# Altium PCB US_EPS_GHW.PcbDoc (part 1 of 3) (continued)
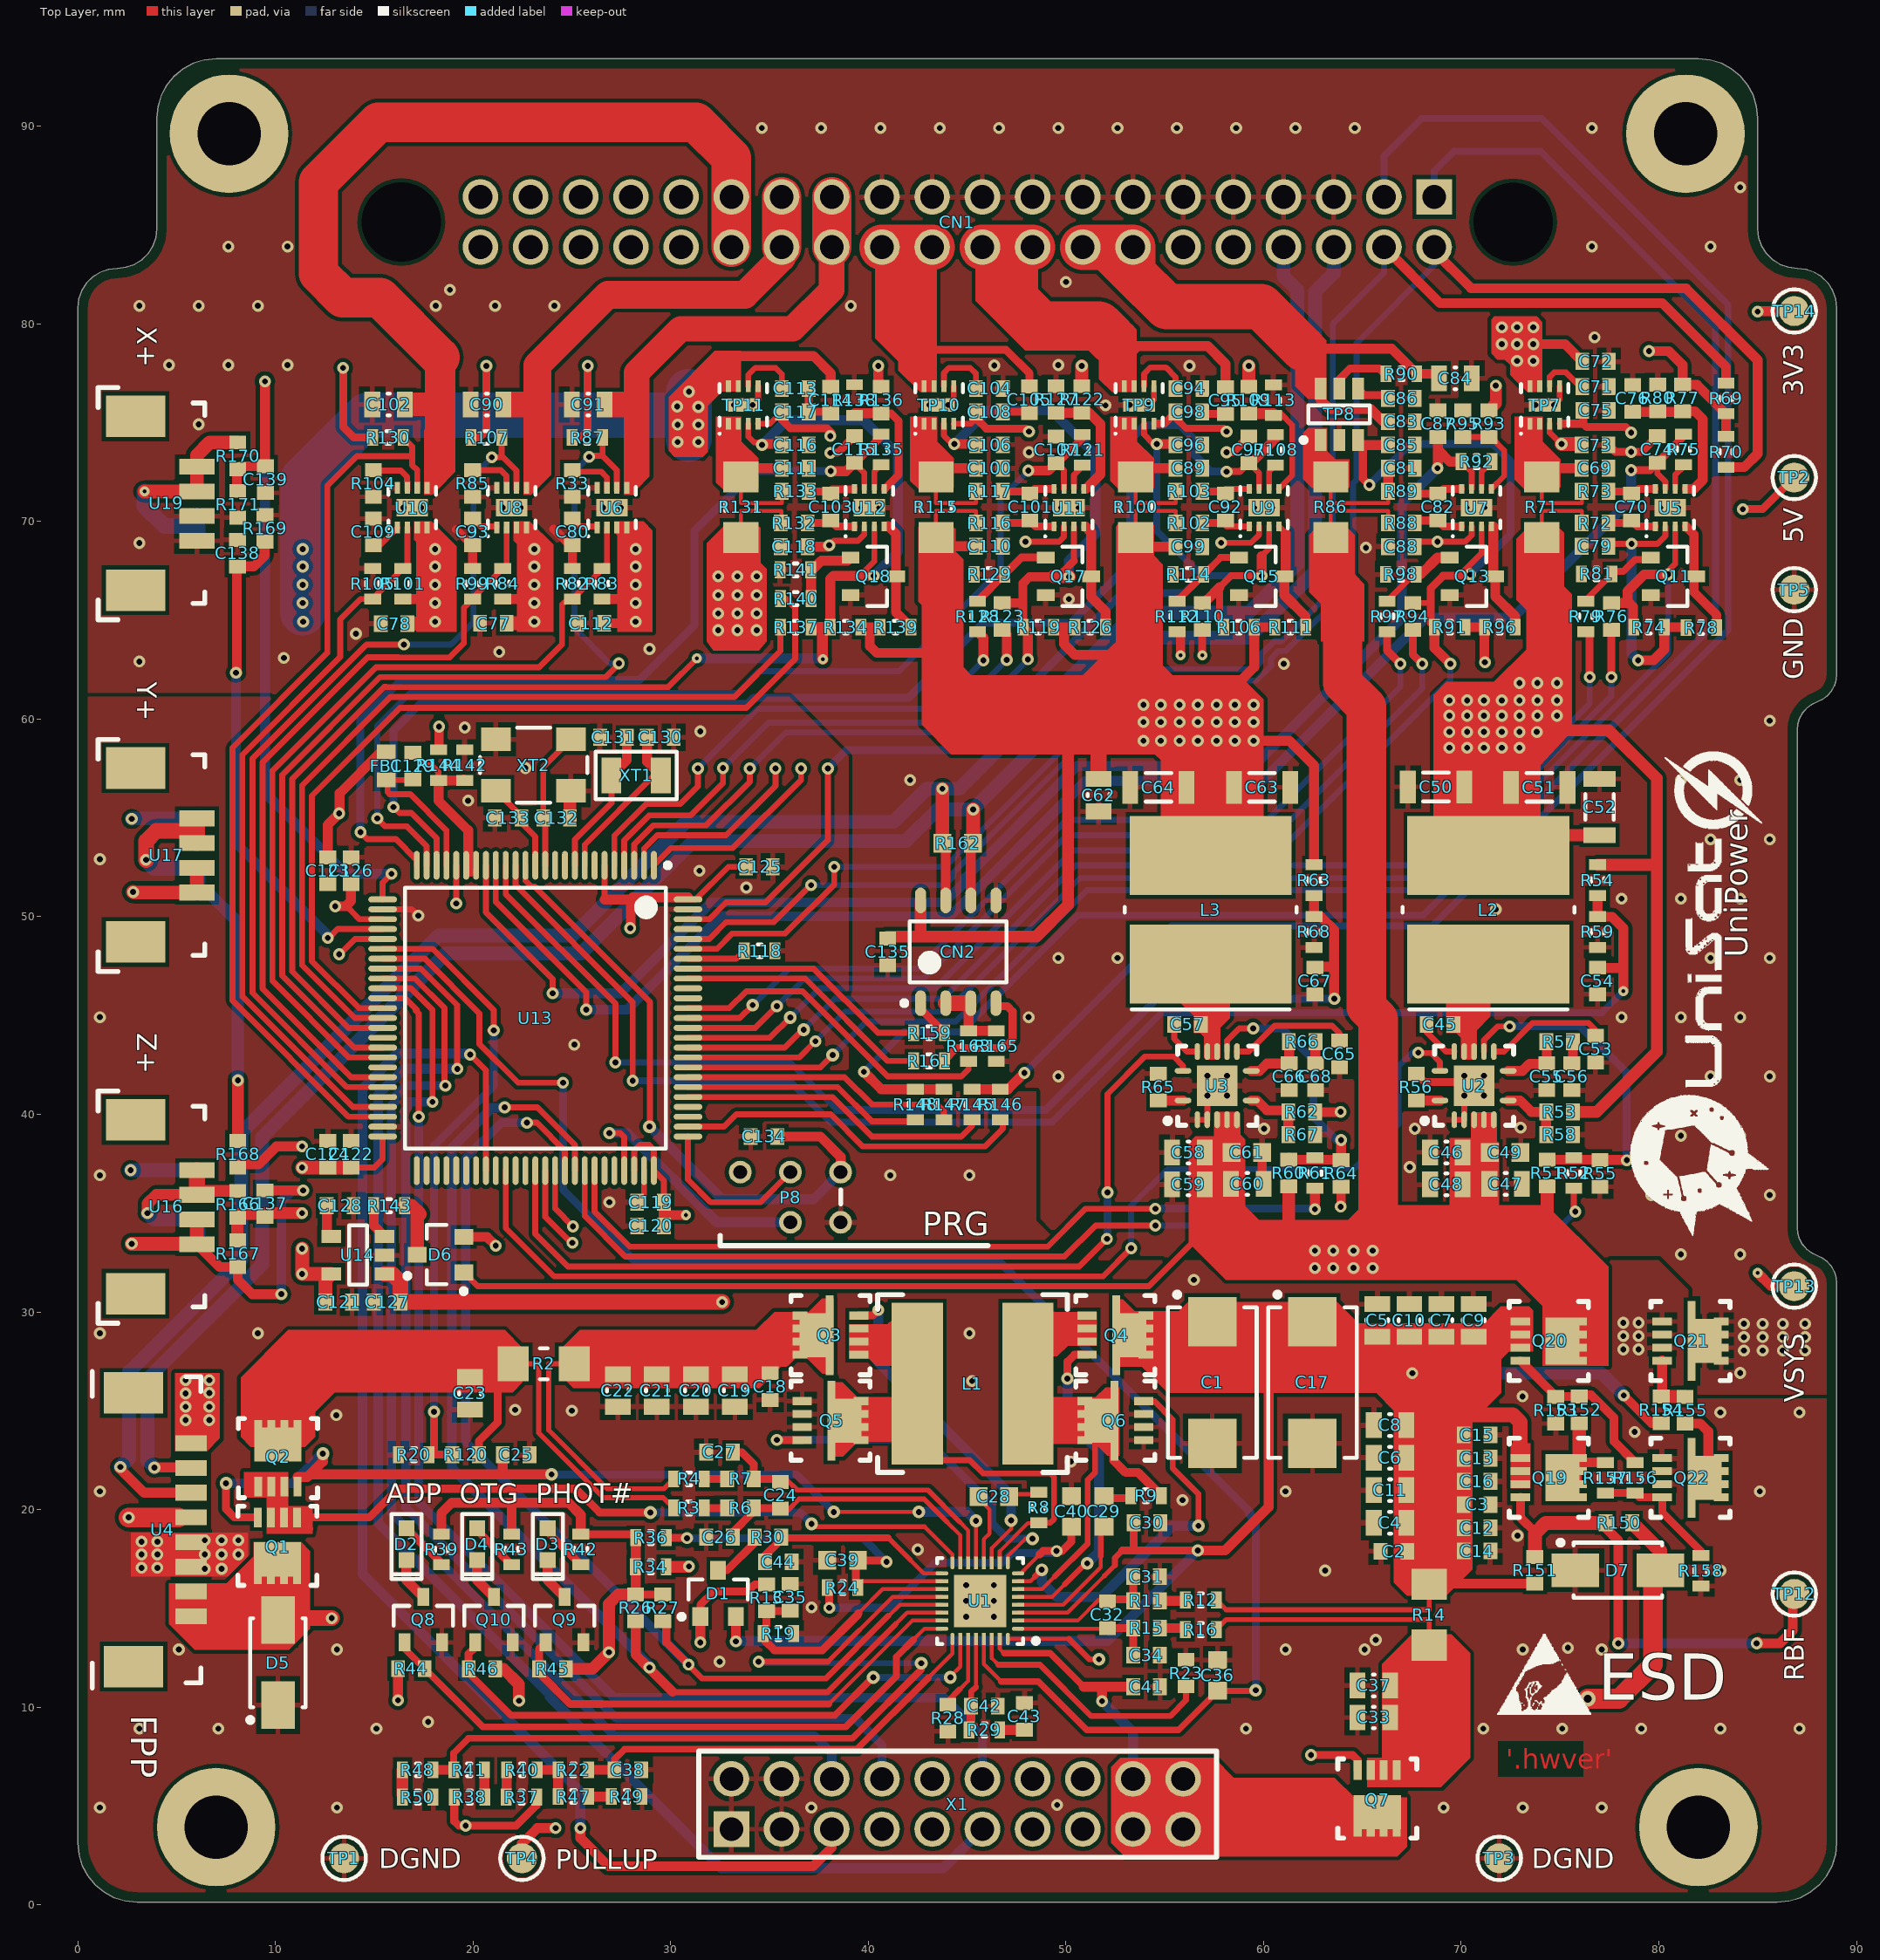
[diagram p0: Top Layer view]
## Components (designator, comment, footprint, x,y, rotation, side; value= is the part's Value field where it differs from the comment) (continued)
Q22 "SISA14DN-T1-GE3" SISA14DN 81.602,21.61 r0 top
R2 "20mR" WSLP1206R002 23.575,27.375 r0 top
R3 "0R" R0603_IPC_MD 30.925,20.075 r180 top
R4 "0R" R0603_IPC_MD 30.925,21.55 r180 top
R6 "2R" C0603_IPC_HD 33.525,20.075 r180 top
R7 "2R" C0603_IPC_HD 33.525,21.55 r180 top
R8 "0R" R0603_IPC_MD 48.625,20.1 r270 top
R9 "0R" R0603_IPC_MD 54.05,20.7 r0 top
R11 "2R" C0603_IPC_HD 54.075,15.375 r180 top
R12 "0R" R0603_IPC_MD 56.825,15.425 r180 top
R13 "402k" C0603_IPC_HD 34.85,15.536 r90 top
R14 "10mR" WSLP1206R001 68.375,14.675 r90 top
R15 "2R" C0603_IPC_HD 54.075,14 r180 top
R16 "0R" R0603_IPC_MD 56.825,13.925 r180 top
R19 "100k" R0603_IPC_MD 35.45,13.725 r180 top
R20 "158k" R0603_IPC_HD 17,22.775 r180 top
R22 "100k" R0603_IPC_MD 25.075,6.825 r0 top
R23 "6.04k" C0603_IPC_HD 56.075,11.725 r270 top
R24 "4.7R" R0603_IPC_HD 38.7,16.05 r0 top
R26 "10k" C0603_IPC_HD 28.225,15.025 r90 top
R27 "10k" C0603_IPC_HD 29.6,15.025 r270 top
R28 "143k" C0603_IPC_HD 44.025,9.45 r90 top
R29 "1k" R0603_IPC_MD 45.875,8.85 r180 top
R30 "2R" C0603_IPC_HD 34.925,18.6 r0 top
R33 "3.83k" C0603_IPC_HD 25.025,71.925 r90 top
R34 "0R" R0603_IPC_MD 28.991,17.1 r0 top
R36 "0R" R0603_IPC_MD 29,18.575 r180 top
R37 "100k" R0603_IPC_MD 22.45,5.45 r0 top
R38 "100k" R0603_IPC_MD 19.825,5.45 r180 top
R39 "330R" R0603_IPC_MD 18.4,17.975 r90 top
R40 "0R" R0603_IPC_MD 22.475,6.825 r180 top
R41 "0R" R0603_IPC_MD 19.8,6.825 r0 top
R42 "330R" R0603_IPC_MD 25.45,17.975 r90 top
R43 "330R" R0603_IPC_MD 21.95,17.975 r90 top
R44 "10k" C0603_IPC_HD 16.875,11.95 r180 top
R45 "10k" C0603_IPC_HD 24.025,11.932 r0 top
R46 "10k" C0603_IPC_HD 20.45,11.932 r0 top
R47 "0R" R0603_IPC_MD 25.075,5.475 r180 top
R48 "0R" R0603_IPC_MD 17.2,6.825 r0 top
R49 "100k" R0603_IPC_MD 27.775,5.475 r180 top
R50 "100k" R0603_IPC_MD 17.2,5.45 r180 top
R51 "102k" C0603_IPC_HD 74.35,37.025 r270 top
R52 "0R" R0603_IPC_MD 75.7,37.025 r270 top
R53 "52.3k" C0603_IPC_HD 74.975,40.125 r0 top
R54 "300k" R0603_IPC_MD 76.9,51.85 r90 top
R55 "36.5k" C0603_IPC_HD 77.025,37.011 r90 top
R56 "53.6k" C0603_IPC_HD 67.725,41.375 r270 top
R57 "3.65k" C0603_IPC_HD 74.975,43.675 r180 top
R58 "10k" C0603_IPC_HD 74.975,38.968 r180 top
R59 "150k" R0603_IPC_MD 76.9,49.225 r90 top
R60 "102k" C0603_IPC_HD 61.275,37.025 r270 top
R61 "0R" R0603_IPC_MD 62.6,37.025 r270 top
R62 "30.9k" C0603_IPC_HD 61.925,40.125 r0 top
R63 "150k" R0603_IPC_MD 62.55,51.85 r90 top
R64 "36.5k" C0603_IPC_HD 63.925,37.011 r90 top
R65 "53.6k" C0603_IPC_HD 54.675,41.375 r270 top
R66 "3.83k" C0603_IPC_HD 61.95,43.675 r180 top
R67 "10k" C0603_IPC_HD 61.925,38.968 r180 top
R68 "300k" R0603_IPC_MD 62.55,49.225 r90 top
R69 "0R" R0603_IPC_MD 83.4,76.225 r90 top
R70 "0R" R0603_IPC_MD 83.4,73.525 r270 top
R71 "10mR" WSLP1206R001 74.075,70.725 r90 top locked
R72 "2R" C0603_IPC_HD 76.775,69.925 r180 top locked
R73 "2R" C0603_IPC_HD 76.775,71.525 r180 top locked
R74 "0R" R0603_IPC_MD 79.5,64.65 r180 top
R75 "0R" R0603_IPC_MD 81.25,73.65 r270 top
R76 "10k" C0603_IPC_HD 77.6,65.2 r90 top
R77 "95.3k" C0603_IPC_HD 81.2,76.25 r90 top
R78 "100k" R0603_IPC_MD 82.15,64.628 r0 top
R79 "1 k" R0603_IPC_HD 76.3,65.2 r270 top
R80 "143k" C0603_IPC_HD 79.95,76.25 r270 top
R81 "100k" R0603_IPC_MD 76.85,67.347 r180 top
R82 "0R" R0603_IPC_MD 25.025,66.85 r270 top
R83 "0R" R0603_IPC_MD 26.525,66.85 r270 top
R84 "0R" R0603_IPC_MD 21.5,66.85 r270 top
R85 "3.83k" C0603_IPC_HD 19.975,71.925 r90 top
R86 "10mR" WSLP1206R001 63.4,70.725 r90 top locked
R87 "100k" R0603_IPC_MD 25.775,74.25 r180 top
R88 "2R" C0603_IPC_HD 66.975,69.925 r180 top locked
R89 "2R" C0603_IPC_HD 66.975,71.525 r180 top locked
R90 "330R" R0603_IPC_MD 66.975,77.475 r180 top
R91 "0R" R0603_IPC_MD 69.425,64.65 r180 top
R92 "0R" R0603_IPC_MD 70.775,73.025 r0 top
R93 "95.3k" C0603_IPC_HD 71.4,74.95 r90 top
R94 "10k" C0603_IPC_HD 67.55,65.2 r270 top
R95 "143k" C0603_IPC_HD 70.075,74.95 r270 top
R96 "100k" R0603_IPC_MD 71.95,64.65 r180 top
R97 "1 k" R0603_IPC_HD 66.25,65.2 r270 top
R98 "100k" R0603_IPC_MD 66.95,67.325 r0 top
R99 "0R" R0603_IPC_MD 19.975,66.85 r270 top
R100 "20mR" WSLP1206R002 53.525,70.725 r90 top locked
R101 "0R" R0603_IPC_MD 16.45,66.85 r270 top
R102 "2R" C0603_IPC_HD 56.225,69.925 r180 top locked
R103 "2R" C0603_IPC_HD 56.225,71.525 r180 top locked
R104 "3.83k" C0603_IPC_HD 14.95,71.925 r90 top
R105 "0R" R0603_IPC_MD 14.925,66.85 r270 top
R106 "0R" R0603_IPC_MD 58.75,64.65 r180 top
R107 "100k" R0603_IPC_MD 20.675,74.25 r180 top
R108 "0R" R0603_IPC_MD 60.6,73.625 r90 top
R109 "10k" C0603_IPC_HD 59.25,76.139 r270 top
R110 "10k" C0603_IPC_HD 56.9,65.2 r270 top
R111 "100k" R0603_IPC_MD 61.35,64.65 r180 top
R112 "1 k" R0603_IPC_HD 55.625,65.2 r270 top
R113 "10.0k" R0603_IPC_MD 60.5,76.139 r270 top
R114 "100k" R0603_IPC_MD 56.2,67.325 r0 top
R115 "20mR" WSLP1206R002 43.425,70.725 r90 top locked
R116 "2R" C0603_IPC_HD 46.125,69.925 r180 top locked
R117 "2R" C0603_IPC_HD 46.125,71.525 r180 top locked
R118 "100k" R0603_IPC_MD 34.5,48.275 r180 top
R119 "0R" R0603_IPC_MD 48.6,64.65 r180 top
R120 "499k" C0603_IPC_HD 19.625,22.775 r180 top
R121 "0R" R0603_IPC_MD 50.825,73.625 r90 top
R122 "10k" C0603_IPC_HD 50.8,76.175 r270 top
R123 "10k" C0603_IPC_HD 46.775,65.2 r270 top
R126 "100k" R0603_IPC_MD 51.225,64.65 r180 top
R127 "4.7k" C0603_IPC_HD 49.5,76.175 r270 top
R128 "1 k" R0603_IPC_HD 45.525,65.2 r270 top
R129 "100k" R0603_IPC_MD 46.125,67.325 r0 top
R130 "100k" R0603_IPC_MD 15.7,74.25 r180 top
R131 "20mR" WSLP1206R002 33.55,70.725 r90 top locked
R132 "2R" C0603_IPC_HD 36.25,69.925 r180 top locked
R133 "2R" C0603_IPC_HD 36.3,71.525 r180 top locked
R134 "0R" R0603_IPC_MD 38.85,64.65 r180 top
R135 "0R" R0603_IPC_MD 40.65,73.65 r90 top
R136 "95.3k" C0603_IPC_HD 40.65,76.15 r90 top
R137 "100k" R0603_IPC_MD 36.325,64.65 r180 top
R138 "158k" R0603_IPC_HD 39.3,76.15 r270 top
R139 "100k" R0603_IPC_MD 41.375,64.65 r180 top
R140 "1 k" R0603_IPC_HD 36.325,66.1 r180 top
R141 "100k" R0603_IPC_MD 36.316,67.55 r0 top
R142 "0R" R0603_IPC_MD 19.575,57.675 r90 top
R143 "0R" R0603_IPC_MD 15.75,35.375 r180 top
R144 "0R" R0603_IPC_MD 18.25,57.675 r90 top
R145 "0R" R0603_IPC_MD 45.25,40.5 r90 top
R146 "0R" R0603_IPC_MD 46.675,40.5 r90 top
R147 "0R" R0603_IPC_MD 43.825,40.5 r90 top
R148 "0R" R0603_IPC_MD 42.375,40.5 r90 top
R150 "10k" C0603_IPC_HD 77.975,19.325 r180 top
R151 "499k" C0603_IPC_HD 73.725,16.925 r90 top
R152 "10k" C0603_IPC_HD 75.975,25.039 r270 top
R153 "499k" C0603_IPC_HD 74.775,25.025 r90 top
R154 "10k" C0603_IPC_HD 80.125,25.039 r270 top
R155 "499k" C0603_IPC_HD 81.325,25.025 r90 top
R156 "0R" R0603_IPC_MD 78.8,21.607 r90 top
R157 "0R" R0603_IPC_MD 77.3,21.607 r90 top
R158 "0R" R0603_IPC_MD 82.125,16.9 r90 top
R159 "22R" R0603_IPC_MD 43.075,44.125 r0 top
R161 "22R" R0603_IPC_MD 43.075,42.7 r0 top
R162 "120R" C0603_IPC_MD 44.525,53.725 r0 top
R163 "22R" R0603_IPC_MD 45.075,43.457 r90 top
R165 "100k" R0603_IPC_MD 46.475,43.457 r90 top
R166 "3k" C0603_IPC_HD 8.093,35.45 r90 top
R167 "6.04k" C0603_IPC_HD 8.093,32.95 r90 top
R168 "3k" C0603_IPC_HD 8.093,37.975 r90 top
R169 "6.04k" C0603_IPC_HD 9.475,69.65 r270 top
R170 "3k" C0603_IPC_HD 8.093,73.325 r90 top
R171 "6.04k" C0603_IPC_HD 8.093,70.875 r90 top
TP1 "Test Point" TestPoint_1M5 13.475,2.35 r0 top
TP2 "Test Point" TestPoint_1M5 86.85,72.225 r90 top
TP3 "Test Point" TestPoint_1M5 71.925,2.35 r180 top
TP4 "Test Point" TestPoint_1M5 22.475,2.35 r90 top
TP5 "Test Point" TestPoint_1M5 86.85,66.55 r90 top
TP7 "TPS22975DSGR" SON127P600-TPS22975 74.225,75.9 r90 top locked
TP8 "TPS22810DBVR" TPS22810DBVR_SOT95P280X145-6N 63.825,75.425 r90 top locked
TP9 "TPS22975DSGR" SON127P600-TPS22975 53.7,75.9 r90 top locked
TP10 "TPS22975DSGR" SON127P600-TPS22975 43.575,75.9 r90 top locked
TP11 "TPS22975DSGR" SON127P600-TPS22975 33.675,75.9 r90 top locked
TP12 "Test Point" TestPoint_1M5 86.85,15.725 r90 top
TP13 "Test Point" TestPoint_1M5 86.85,31.3 r90 top
TP14 "Test Point" TestPoint_1M5 86.85,80.65 r180 top
U1 "ISL9237HRZ-T7A" QFN127P600-ISL9237 45.65,15.375 r180 top
U2 "TPS54620RGYR" 14-VFQFN-(TPS54620RGYR) 70.65,41.45 r0 top
U3 "TPS54620RGYR" 14-VFQFN-(TPS54620RGYR) 57.65,41.45 r0 top
U4 "PicoBlade_8R" PB_53398-0871_RIGHT 5.725,18.975 r90 top
U5 "INA381A3IDSGR" SON127P600-8N(INA381) 80.575,70.7 r90 top locked
U6 "TPS259540DSGT" SON127P600-8N_TPS259540DSGT 27.025,70.7 r90 top
U7 "INA381A3IDSGR" SON127P600-8N(INA381) 70.775,70.7 r90 top locked
U8 "TPS259540DSGT" SON127P600-8N_TPS259540DSGT 21.95,70.7 r90 top
U9 "INA381A3IDSGR" SON127P600-8N(INA381) 60.025,70.7 r90 top locked
U10 "TPS259540DSGT" SON127P600-8N_TPS259540DSGT 16.925,70.7 r90 top
U11 "INA381A3IDSGR" SON127P600-8N(INA381) 50.15,70.7 r90 top locked
U12 "INA381A3IDSGR" SON127P600-8N(INA381) 40.05,70.7 r90 top
U13 "STM32L073VZT6" STM32L073_TSQFP50P1600X1600X160-100N 23.15,44.875 r270 top locked
U14 "MIC5216-3.3YM5-TR" SOT23-5_(MT) 14.175,32.875 r180 top locked
U15 "PicoBlade_4R" PB_53261-0471_Right 6.05,37.175 r270 bottom
U16 "PicoBlade_4R" PB_53261-0471_Right 6.025,33.425 r90 top locked
U17 "PicoBlade_4R" PB_53261-0471_Right 6.025,51.225 r90 top
U18 "PicoBlade_4R" PB_53261-0471_Right 6.05,54.975 r270 bottom
U19 "PicoBlade_4R" PB_53261-0471_Right 6.025,69.025 r90 top locked
U20 "PicoBlade_4R" PB_53261-0471_Right 6.05,72.8 r270 bottom
X1 "PC104 2,54mm 2*10P" ESQ-110-33-T-D 33.07,3.825 r90 top locked
XT1 "32.768kHz" FC-135R 27,57.15 r0 top
XT2 "8 MHz" 5.0X3.2_4PAD_SMT 23.05,57.675 r0 top

## Footprints (in the part's own frame and the unit in brackets; to place one, negate y for a bottom-side part, rotate by r counter-clockwise, add the part's x,y. Pads: shape width x height; smd on the part's side, far side on the other; paste and mask are expansions set on the pad)
2.2UF_6.3A [mm] "0.315\" L x 0.315\" W (8.00mm x 8.00mm) 6.3A"
  rect 2.6x8.2 smd paste-5: 1(0,0) 2(5.6,0)
  silkscreen extent -2,-4.5 7.6,4.5, body extent -1.27,-3.95 6.88,3.95, height 4
5.0X3.2_4PAD_SMT [mm] "5.0mm x 3.2mm Oscillator"
  rect 1.5x1.2 smd paste+0: 1(-1.9,-1.3) 2(1.9,-1.3) 3(1.9,1.3) 4(-1.9,1.3)
  silkscreen extent -2.7,-1.9 2.73,1.9, body extent -2.55,-1.65 2.55,1.65, height 1.5
14-VFQFN-(TPS54620RGYR) [mm]
  oval 0.85x0.28 smd mask+0.051: 1(-1.725,-0.75) 7(1.725,-0.75) 8(1.725,0.75) 14(-1.725,0.75)
  oval 0.28x0.85 smd mask+0.051: 2(-1,-1.725) 3(-0.5,-1.725) 4(0,-1.725) 5(0.5,-1.725) 6(1,-1.725) 9(1,1.725) 10(0.5,1.725) 11(0,1.725) 12(-0.5,1.725) 13(-1,1.725)
  rect 2.05x2.05 smd mask+0.051: 15(0,0)
  silkscreen extent -2.64,-2 2,2, body extent -1.88,-1.88 1.88,1.88, height 1
BAT54C_SOT23 [mm] "SOT23, 3-Leads, Body 2,90x2,40mm, Pitch 0,90mm, IPC Medium Density"
  rect 0.95x0.8 smd: 1(-1.175,0.9) 2(-1.175,-0.9) 3(1.175,0)
  silkscreen extent -1.3,-1.5 0.7,1.97, body extent -1.25,-1.5 1.25,1.5, height 1.1
C0603_IPC_HD [mm] "Chip Capacitor, 2-Leads, Body 1,60x0,80mm, IPC High Density"
  rect 0.7x0.85 smd: 1(-0.675,0) 2(0.675,0)
  body extent -0.8,-0.4 0.8,0.4, height 0.8
C0603_IPC_MD [mm] "Chip Capacitor, 2-Leads, Body 1,60x0,80mm, IPC Medium Density"
  rect 0.9x0.95 smd: 1(-0.775,0) 2(0.775,0)
  body extent -0.8,-0.4 0.8,0.4, height 0.8
C0805_IPC_HD [mm] "Chip Capacitor, 2-Leads, Body 2,00x1,25mm, IPC High Density"
  rect 0.8x1.3 smd: 1(-0.825,0) 2(0.825,0)
  silkscreen extent -0.05,-0.55 0.05,0.55, body extent -1,-0.63 1,0.63, height 1.25
C1206_IPC_HD [mm] "Chip Capacitor, 2-Leads, Body 3,20x1,60mm, IPC High Density"
  rect 0.8x1.65 smd: 1(-1.425,0) 2(1.425,0)
  silkscreen extent -0.65,-0.72 0.65,0.72, body extent -1.6,-0.8 1.6,0.8, height 1.6
DIOM4227X25N [mm] "Molded Diode, 2-Leads, Body 4,24x2,67mm, IPC Medium Density"
  rect 2.4x1.7 smd: 1(-2.15,0) 2(2.15,0)
  silkscreen extent -3.02,-1.4 2.25,1.52, body extent -2.47,-1.4 2.47,1.4, height 2.5
ESQ-110-33-T-D [mm] "CONN SOCKET 20POS 0.1 TIN PCB"
  rect 1.8x1.8 hole 1.2: 1(0,0)
  round 1.8 hole 1.2: 2(2.54,0) 3(0,-2.54) 4(2.54,-2.54) 5(0,-5.08) 6(2.54,-5.08) 7(0,-7.62) 8(2.54,-7.62) 9(0,-10.16) 10(2.54,-10.16) 11(0,-12.7) 12(2.54,-12.7) 13(0,-15.24) 14(2.54,-15.24) 15(0,-17.78) 16(2.54,-17.78) 17(0,-20.32) 18(2.54,-20.32) 19(0,-22.86) 20(2.54,-22.86)
  silkscreen extent -1.43,-24.55 3.95,1.65, body extent -1.29,-24.41 3.79,1.5, height 16.41
FC-135R [mm] "FC-135 32.7680KA-A5.FC-135 32.7680KA-A5"
  rect 1x1.8 smd: 1(0,0) 2(2.5,0)
  silkscreen extent -0.8,-1.2 3.3,1.2, body extent -0.35,-0.75 2.85,0.75, height 0.9
HEADER_40PIN_12MM2 [mm] "CONN HEADER R/A 40POS 2.54MM"
  rect 1.8x1.8 hole 1.2: 1(0,0)
  round 1.8 hole 1.2: 2(0,2.54) 3(2.54,0) 4(2.54,2.54) 5(5.08,0) 6(5.08,2.54) 7(7.62,0) 8(7.62,2.54) 9(10.16,0) 10(10.16,2.54) 11(12.7,0) 12(12.7,2.54) 13(15.24,0) 14(15.24,2.54) 15(17.78,0) 16(17.78,2.54) 17(20.32,0) 18(20.32,2.54) 19(22.86,0) 20(22.86,2.54) 21(25.4,0) 22(25.4,2.54) 23(27.94,0) 24(27.94,2.54) 25(30.48,0) 26(30.48,2.54) 27(33.02,0) 28(33.02,2.54) 29(35.56,0) 30(35.56,2.54) 31(38.1,0) 32(38.1,2.54) 33(40.64,0) 34(40.64,2.54) 35(43.18,0) 36(43.18,2.54) 37(45.72,0) 38(45.72,2.54) 39(48.26,0) 40(48.26,2.54)
  round 2 hole 4 unplated: PMNT1(-4,1.275) PMNT2(52.26,1.27)
  body extent -1.5,-1.26 49.81,3.82, height 11.05
"INDP8687X40N-(VLP8040 )" [mm] "Precision Wire Wound Inductor, 2-Leads, Body 8,60x8,70mm, IPC Medium Density"
  rect 4x8.2 smd paste-5: 1(-2.75,0) 2(2.75,0)
  silkscreen extent -5.05,-4.35 0.15,4.35, body extent -4.4,-4.35 4.4,4.35, height 4.1
L0603_IPC_MD [mm] "Chip Inductor, 2-Leads, Body 1,60x0,80mm, IPC Medium Density"
  rect 0.75x0.94 smd: 1(-0.705,0) 2(0.705,0)
  body extent -0.85,-0.4 0.85,0.4, height 0.8
LED_0603 [mm]
  rect 0.8x0.8 smd: 1(-0.8,0) 2(0.8,0)
  silkscreen extent -1.78,-0.76 1.52,0.76, body extent -0.85,-0.4 0.85,0.4, height 0.66
PB_53261-0471_Right [mm]
  rect 0.8x1.8 smd: 1(0,0) 2(1.25,0) 3(2.5,0) 4(3.75,0)
  rect 2.1x3 smd: 5(-2.5,3.1) 5(6.3,3.1)
  silkscreen extent -4,-0.4 7.75,5, body extent -3.18,-0.4 6.97,4.8, height 3.4
PB_53398-0871_RIGHT [mm] "Headers & Wire Housings 1.25MM HDR 8 CKT Right-Angle"
  rect 2.1x3 smd: 0(-6.925,2.9) 0(6.925,2.9)
  rect 0.8x1.6 smd: 1(-4.375,0) 2(-3.125,0) 3(-1.875,0) 4(-0.625,0) 5(0.625,0) 6(1.875,0) 7(3.125,0) 8(4.375,0)
  silkscreen extent -8,-0.5 8,5, body extent -7.57,-0.32 7.58,4.88, height 3.4
QFN127P600-ISL9237 [mm]
  oct 0.63x0.2 smd mask+0.051: 1(-1.925,1.4) 8(-1.925,-1.4) 17(1.925,-1.4) 24(1.925,1.4)
  rect 0.63x0.2 smd mask+0.051: 2(-1.925,1) 3(-1.925,0.6) 4(-1.925,0.2) 5(-1.925,-0.2) 6(-1.925,-0.6) 7(-1.925,-1) 18(1.925,-1) 19(1.925,-0.6) 20(1.925,-0.2) 21(1.925,0.2) 22(1.925,0.6) 23(1.925,1)
  oct 0.2x0.63 smd mask+0.051: 9(-1.4,-1.925) 16(1.4,-1.925) 25(1.4,1.925) 32(-1.4,1.925)
  rect 0.2x0.63 smd mask+0.051: 10(-1,-1.925) 11(-0.6,-1.925) 12(-0.2,-1.925) 13(0.2,-1.925) 14(0.6,-1.925) 15(1,-1.925) 26(1,1.925) 27(0.6,1.925) 28(0.2,1.925) 29(-0.2,1.925) 30(-0.6,1.925) 31(-1,1.925)
  rect 2.65x2.65 smd mask+0.051: 33(0,0)
  silkscreen extent -2.95,-2.17 2.17,2.17, body extent -2.07,-2.07 2.08,2.08, height 0.9
R0603_IPC_HD [mm] "Chip Resistor, 2-Leads, Body 1,60x0,80mm, IPC Medium Density"
  rect 0.55x0.85 smd: 1(-0.775,0) 2(0.775,0)
  silkscreen extent -0.1,-0.33 0.1,0.33, body extent -0.85,-0.4 0.85,0.4, height 0.45
R0603_IPC_MD [mm] "Chip Resistor, 2-Leads, Body 1,60x0,80mm, IPC Medium Density"
  rect 0.55x0.85 smd: 1(-0.775,0) 2(0.775,0)
  silkscreen extent -0.1,-0.33 0.1,0.33, body extent -0.85,-0.4 0.85,0.4, height 0.45
SISA14DN [mm] "PowerPAK® 1212-8  N-Channel 30V 20A"
  rect 0.99x0.405 smd mask+0.051: 1(-1.435,0.99) 1(-1.435,-0.33) 1(-1.435,0.33) 2(-1.435,-0.99)
  rect 0.4x1.3 smd mask+0.051: 3(0.047,1.368) 3(0.048,-1.368)
  rect 1.725x2.235 smd mask+0.051: 3(0.71,0)
  rect 0.76x0.405 smd mask+0.051: 3(1.55,0.99) 3(1.55,-0.33) 3(1.55,0.33) 3(1.55,-0.99)
  silkscreen extent -2,-2 2,2, body extent -1.77,-1.77 1.77,1.78, height 1.05
SISH625DN [mm] "Mount PowerPAK® 1212-8SH P-Channel 30V 17.3A"
  rect 0.99x0.405 smd mask+0.051: 1(-1.435,0.99) 1(-1.435,-0.33) 1(-1.435,0.33) 2(-1.435,-0.99)
  rect 1.725x2.39 smd mask+0.051: 3(0.69,0)
  rect 0.76x0.405 smd mask+0.051: 3(1.55,0.99) 3(1.55,-0.33) 3(1.55,0.33) 3(1.55,-0.99)
  silkscreen extent -2,-2 2,2, body extent -1.77,-1.77 1.77,1.78, height 1.05
SOIC-8 [mm] "SOIC, 8-Leads, Body 4.93x3.94mm, Pitch 1.27mm, IPC High Density"
  oval 1.3x0.55 smd: 1(-2.6,1.905) 2(-2.6,0.635) 3(-2.6,-0.635) 4(-2.6,-1.905) 5(2.6,-1.905) 6(2.6,-0.635) 7(2.6,0.635) 8(2.6,1.905)
  silkscreen extent -2.72,-2.45 1.55,2.85, body extent -3,-2.45 3,2.45, height 1.63
SON127P600-8N(INA381) [mm]
  rect 0.9x1.6 smd paste-5 mask+0.051: 0(0,0)
  rect 0.5x0.25 smd mask+0.051: 1(-0.95,0.75) 2(-0.95,0.25) 3(-0.95,-0.25) 4(-0.95,-0.75) 5(0.95,-0.75) 6(0.95,-0.25) 7(0.95,0.25) 8(0.95,0.75)
  silkscreen extent -1.5,-1.2 1.05,1.25, body extent -1.1,-1.05 1.1,1.05, height 0.8
SON127P600-8N_TPS259540DSGT [mm]
  rect 0.6x0.27 smd mask+0.051: 1(-1,0.75) 2(-1,0.25) 3(-1,-0.25) 4(-1,-0.75) 5(1,-0.75) 6(1,-0.25) 7(1,0.25) 8(1,0.75)
  rect 0.9x1.6 smd paste-5 mask+0.051: 9(0,0)
  silkscreen extent -1.5,-1.2 1.05,1.25, body extent -1.1,-1.05 1.1,1.05, height 0.8
SON127P600-TPS22975 [mm]
  rect 0.6x0.25 smd mask+0.051: 1(-0.95,0.75) 2(-0.95,0.25) 3(-0.95,-0.25) 4(-0.95,-0.75) 5(0.95,-0.75) 6(0.95,-0.25) 7(0.95,0.25) 8(0.95,0.75)
  rect 0.69x1.6 smd paste-5 mask+0.051: 9(0,0)
  silkscreen extent -1.5,-1.2 1.05,1.25, body extent -1.1,-1.05 1.1,1.05, height 0.8
SOT23 [mm] "SOT23, 3-Leads, Body 2,90x2,30mm, Pitch 0,95mm, IPC Medium Density"
  rect 0.9x0.6 smd: 1(-1.15,0.95) 2(-1.15,-0.95) 3(1.15,0)
  silkscreen extent -0.3,-1.5 0.7,1.5, body extent -1.25,-1.5 1.25,1.5, height 1.1
SOT23-5_(MT) [mm] "SOT23, 5-Leads, Body 2,90x2,80mm, Pitch 0,95mm, IPC Medium Density"
  rect 1x0.66 smd mask+0.051: 1(-1.35,0.95) 2(-1.35,0) 3(-1.35,-0.95) 4(1.35,-0.95) 5(1.35,0.95)
  silkscreen extent -2.63,-1.5 0.45,1.5, body extent -1.45,-1.5 1.45,1.5, height 1.45
STM32L073_TSQFP50P1600X1600X160-100N [mm] "TSQFP, 100-Leads, Body 14,00x14,00mm, Pitch 0,50mm, IPC Medium Density"
  oval 1.45x0.3 smd mask+0.051: 1(-7.725,6) 2(-7.725,5.5) 3(-7.725,5) 4(-7.725,4.5) 5(-7.725,4) 6(-7.725,3.5) 7(-7.725,3) 8(-7.725,2.5) 9(-7.725,2) 10(-7.725,1.5) 11(-7.725,1) 12(-7.725,0.5) 13(-7.725,0) 14(-7.725,-0.5) 15(-7.725,-1) 16(-7.725,-1.5) 17(-7.725,-2) 18(-7.725,-2.5) 19(-7.725,-3) 20(-7.725,-3.5) 21(-7.725,-4) 22(-7.725,-4.5) 23(-7.725,-5) 24(-7.725,-5.5) 25(-7.725,-6) 51(7.725,-6) 52(7.725,-5.5) 53(7.725,-5) 54(7.725,-4.5) 55(7.725,-4) 56(7.725,-3.5) 57(7.725,-3) 58(7.725,-2.5) 59(7.725,-2) 60(7.725,-1.5) 61(7.725,-1) 62(7.725,-0.5) 63(7.725,0) 64(7.725,0.5) 65(7.725,1) 66(7.725,1.5) 67(7.725,2) 68(7.725,2.5) 69(7.725,3) 70(7.725,3.5) 71(7.725,4) 72(7.725,4.5) 73(7.725,5) 74(7.725,5.5) 75(7.725,6)
  oval 0.3x1.45 smd mask+0.051: 26(-6,-7.725) 27(-5.5,-7.725) 28(-5,-7.725) 29(-4.5,-7.725) 30(-4,-7.725) 31(-3.5,-7.725) 32(-3,-7.725) 33(-2.5,-7.725) 34(-2,-7.725) 35(-1.5,-7.725) 36(-1,-7.725) 37(-0.5,-7.725) 38(0,-7.725) 39(0.5,-7.725) 40(1,-7.725) 41(1.5,-7.725) 42(2,-7.725) 43(2.5,-7.725) 44(3,-7.725) 45(3.5,-7.725) 46(4,-7.725) 47(4.5,-7.725) 48(5,-7.725) 49(5.5,-7.725) 50(6,-7.725) 76(6,7.725) 77(5.5,7.725) 78(5,7.725) 79(4.5,7.725) 80(4,7.725) 81(3.5,7.725) 82(3,7.725) 83(2.5,7.725) 84(2,7.725) 85(1.5,7.725) 86(1,7.725) 87(0.5,7.725) 88(0,7.725) 89(-0.5,7.725) 90(-1,7.725) 91(-1.5,7.725) 92(-2,7.725) 93(-2.5,7.725) 94(-3,7.725) 95(-3.5,7.725) 96(-4,7.725) 97(-4.5,7.725) 98(-5,7.725) 99(-5.5,7.725) 100(-6,7.725)
  silkscreen extent -7.85,-6.6 6.6,6.83, body extent -8,-8 8,8, height 1.6
SWD_CON_VAR1 [mm] "Variant 1"
  round 1.15 hole 0.7: 1(0,0) 2(2.54,0) 3(0,-2.54) 4(2.54,-2.54) 5(0,-5.08)
  silkscreen extent 0.9,0 1.6,0
TCJY686_CAPMP7343X21N [mm] "Molded Capacitor, 2-Leads, Body 7,30x4,30mm, IPC Medium Density"
  rect 2.5x2.45 smd: 1(3.075,0) 2(-3.075,0)
  silkscreen extent -3.8,-2.25 4.57,2.25, body extent -3.72,-2.15 3.77,2.15, height 2.8
TestPoint_1M5 [mil] "Test Point d=1.5mm"
  round 60 smd paste-393.7: 0(0,0)
  silkscreen extent -43,-43 43,43
TPS22810DBVR_SOT95P280X145-6N [mm] "SOT23, 6-Leads, Body 2,90x2,80mm, Pitch 0,95mm, IPC Medium Density"
  rect 1.1x0.6 smd mask+0.051: 1(-1.3,0.95) 2(-1.3,0) 3(-1.3,-0.95) 4(1.3,-0.95) 5(1.3,0) 6(1.3,0.95)
  silkscreen extent -1.42,-1.55 0.45,1.92, body extent -1.5,-1.53 1.5,1.53, height 1.45
WSLP1206R001 [mm] "Chip Resistor, 2-Leads, Body 3,20x1,60mm, IPC Medium Density"
  rect 1.57x1.78 smd: 1(-1.538,0) 2(1.538,0)
  body extent -1.73,-0.92 1.73,0.92, height 0.89
WSLP1206R002 [mm] "Chip Resistor, 2-Leads, Body 3,20x1,60mm, IPC Medium Density"
  rect 1.57x1.78 smd: 1(-1.538,0) 2(1.538,0)
  silkscreen extent -0.2,-0.79 0.2,0.79, body extent -1.73,-0.92 1.73,0.92, height 0.89

## Part data
C1 C17: library part CPT68uF_16V, "68µF Molded Tantalum Polymer Capacitor 16V 2917 (7343 Metric) 50 mOhm"
C2 C3 C24 C32 C44 C69 C77 C78 C81 C89 C100 C111 C112 C119 C120 C127: library part CL10B105MO8NNWC, "CAP CER 1UF 16V X7R 0603"
C4 C5 C6 C7 C8 C9 C10 C11 C19 C20 C21 C22 C23 C33 C37 C46 C47 C48 C58 C59 C60 C84: library part CL21B106KOQNNNG, "CAP CER 10UF 16V X7R 0805"
C12 C13 C14 C15 C16 C25 C26 C27 C30 C31 C34 C35 C41 C42 C45 C57 C72 C75 C79 C80 C83 C88 C93 C95 C98 C99 C105 C108 C109 C110 C114 C117 C118 C121 C122 C123 C124 C125 C126 C129 C134 C135 C137 C138 C139: library part CL10B104KO8NNNC, "CAP CER 0.1UF 16V X7R 0603"
C18 C43 C70 C82 C86 C92 C101 C103: library part CL10B103KB8NNNC, "CAP CER 0.01UF 50V X7R 0603"
C28 C29: library part CL0603_0.22uF_25V, "0.22µF ±10% 25V Ceramic Capacitor X7R 0603 (1608 Metric)"
C36 C54 C67 C71 C73 C74 C76 C85 C87 C94 C96 C97 C104 C106 C107 C113 C115 C116: library part CL0603_1nF_0603, "CAP CER 1000PF 50V X7R 0603"
C38 C130 C131 C132 C133: library part CL10C180JB8NNNC, "CAP CER 18PF 50V C0G/NP0 0603"
C39 C40 C49 C61: library part CL0603_4.7uF_10V, "4.7µF ±10% 10V Ceramic Capacitor X5R 0603 (1608 Metric)"
C50 C51 C52 C63 C64: library part CL1206_47uF_10V, "CAP CER 47UF 10V X5R 1206"
C53 C65: library part CL0603_2700pF_50V, "CAP CER 2700PF 50V X7R 0603"
C55: library part C0603_75pF_50V, "CAP CER 75PF 50V C0G/NP0 0603"
C56: library part CL0603_6.8nF_50V, "CAP CER 6800PF 50V X7R 0603"
C62 C90 C91 C102: library part CL21A226MOCLRNC, "CAP CER 22UF 16V X5R 0805"
C66: library part CL0603_39pF_50V, "CAP CER 39PF 50V C0G/NP0 0603"
C68: library part C0603_12nF_25V, "CAP CER 0.012UF 25V C0G/NP0 0603"
C128: library part CL0603_22pF_50V, "CAP CER 22PF 50V C0G/NP0 0603"
CN1: library part ALFASAT_BIC, "CONN HEADER R/A 40POS 2.54MM"
CN2: "IC TXRX 3.3V RS485/422 8 SOIC"
D1 D6: library part BAT54CQ-7, "Diode Schottky 30V 200mA Surface Mount SOT-23(ISL9237)"
D2 D3 D4: "LED GREEN CLEAR CHIP SMD 0603"
D5 D7: library part 824501121_TVS, "TVS DIODE 12V 19.9V DO214AC"
FB1: "FERRITE BEAD 600R@100MHz 0603 for Power Line, 1000mA"
L1: library part "2.2uH Inductor 6.3A 13 mOm", "2.2µH Semi-Shielded Wirewound Inductor 6.3A 13 mOhm Max Nonstandard"
L2 L3: library part "1.5µH Shielded Wirewound Inductor 6.7A 13mOhm Max Nonstandard", "FIXED IND 1.5UH 6.7A 13 MOHM SMD"
P8: library part SWD-CONNECTOR_VAR1, "SWDIO SWCLK VDD GND NRST"
Q1 Q2 Q7 Q19 Q20: library part SISH625DN-T1, "P-Channel 30V 17.3A (Ta), 35A (Tc) 3.7W (Ta), 52W (Tc) Surface Mount PowerPAK® 1212-8SH"
Q3 Q4 Q5 Q6 Q21 Q22: library part SiSA14DN, "N-Channel 30V 20A (Tc) 3.57W (Ta), 26.5W (Tc) Surface Mount PowerPAK® 1212-8"
Q8 Q9 Q10 Q11 Q13 Q15 Q17 Q18: "N-Channel Logic Level Enhancement Mode Field Effect Transistor"
R2 R100 R115 R131: library part WSLP1206R002, "20 mOhms ±1% 1W Chip Resistor 1206 (3216 Metric) Anti-Sulfur, Automotive AEC-Q200, Current Sense, Moisture Resistant, Pulse Withstanding Metal Element"
R3 R4 R8 R9 R12 R16 R34 R36 R40 R41 R47 R48 R52 R61 R69 R70 R74 R75 R82 R83 R84 R91 R92 R99 R101 R105 R106 R108 R119 R121 R134 R135 R142 R143 R144 R145 R146 R147 R148 R156 R157 R158: library part CR0603-J/-000ELF, "RES SMD 0 OHM JUMPER 1/10W 0603"
R6 R7 R11 R15 R30 R72 R73 R88 R89 R102 R103 R116 R117 R132 R133: library part CR0603-JW-2R, "2 Ohms ±1% 0.125W, 1/8W Chip Resistor 0603 (1608 Metric) Automotive AEC-Q200 Thick Film"
R13: library part CR0603-JW-402K, "RES 402K OHM 1% 1/10W 0603"
R14 R71 R86: library part WSLP1206R001, "10 mOhms ±1% 1W Chip Resistor 1206 (3216 Metric) Anti-Sulfur, Automotive AEC-Q200, Current Sense, Moisture Resistant, Pulse Withstanding Metal Element"
R19 R22 R37 R38 R49 R50 R78 R81 R87 R96 R98 R107 R111 R114 R118 R126 R129 R130 R137 R139 R141 R165: library part CR0603-JW-104ELF, "RES 100K OHM 1% 1/10W 0603"
R20 R138: library part CR0603-JW-158k, "58K ±1% 1/10W ±100ppm/? 0603"
R23 R167 R169 R171: library part CR0603-JW-6.04K, "RES 6.04K OHM 1% 1/10W 0603"
R24: library part CR0603-JW-4.7R, "RES 4.7 OHM 1% 1/10W 0603"
R26 R27 R44 R45 R46 R67 R76 R94 R109 R110 R122 R123 R150 R152 R154: library part CR0603-JW-10k, "RES 10K OHM 1% 1/10W 0603"
R28 R80 R95: library part CR0603-JW-147kR, "RES 143K OHM 1% 1/10W 0603"
R29: library part CR0603-JW-102ELF, "RES SMD 1K OHM 5% 1/10W 0603"
R33 R66 R85 R104: library part CR0603-JW-3.83k, "RES SMD 3.83K OHM 1% 1/10W 0603"
R39 R42 R43 R90: library part CR0603-JW-331ELF, "RES SMD 330 OHM 5% 1/10W 0603"
R51 R60: library part CR0603-JW-102K, "RES 102K OHM 1% 1/10W 0603"
R53: library part CR0603-JW-52.3k, "RES SMD 52.3K OHM 1% 1/10W 0603"
R54 R68: library part RC0603FR-07300KL, "RES SMD 300K OHM 1% 1/10W 0603"
R55 R64: library part CR0603-JW-36.5K, "RES 36.5K OHM 1% 1/10W 0603"
R56 R65: library part CR0603-JW-53.6k, "RES 53.6K OHM 1% 1/10W 0603"
R57: library part CR0603-JW-3.65k, "RES SMD 3.65K OHM 1% 1/10W 0603"
R58: library part CR0603-JW-10ê, "RES 10K OHM 1% 1/10W 0603"
R59 R63: library part RC0603FR-07150KL, "RES SMD 150K OHM 1% 1/10W 0603"
R62: library part CR0603-JW-30.9k, "RES SMD 30.9K OHM 1% 1/10W 0603"
R77 R93 R136: library part CR0603-JW-95.3k, "RES 95.3K OHM 1% 1/10W 0603"
R79 R97 R112 R128 R140: library part CR0603-JW-1k_ISL92, "1 kOhms ±1% 0.1W, 1/10W Chip Resistor 0603 (1608 Metric) Automotive AEC-Q200 Thick Film"
R113: library part RMCF0603FT10K0, "RES 10K OHM 1% 1/10W 0603"
R120 R151 R153 R155: library part CR0603-JW-499K, "RES 499K OHM 1% 1/10W 0603"
R127: library part CR0603-JW-4.7kOm, "RES SMD 4.7K OHM 5% 1/10W 0603"
R159 R161 R163: library part CR0603-JW-220ELF, "RES SMD 22 OHM 5% 1/10W 0603"
R162: library part RC0603JR-07120RL, "RES SMD 120 OHM 5% 1/10W 0603"
R166 R168 R170: library part CR0603-JW-3k, "RES SMD 3K OHM 5% 1/10W 0603"
TP1 TP2 TP3 TP4 TP5 TP12 TP13 TP14: library part TP
TP7 TP9 TP10 TP11: library part TPS22975, "IC LOAD SWITCH N-CH 6A"
TP8: "Power Switch/Driver 1:1 N-Channel 2A SOT-23-6"
U1: "Charger IC Lithium-Ion 32-QFN (4x4)"
U2 U3: "IC REG BUCK ADJUSTABLE 6A 14VQFN"
U4: "Connector Header Surface Mount, Right Angle 8 position 0.049\" (1.25mm)"
U5 U7 U9 U11 U12: "Current Sense Regulator High/Low-Side  8-WSON (2x2)"
U6 U8 U10: "IC PWR MGMT EFUSE 2.7-18V 8WSON"
U13: library part STM32L073VZT6_EPS, "ARM® Cortex®-M0+ STM32L0 Microcontroller IC 32-Bit 32MHz 192KB (192K x 8) FLASH 100-LQFP (14x14)"
U14: "IC REG LINEAR 3.3V 500MA SOT23-5"
U15 U16 U17 U18 U19 U20: "Connector Header Surface Mount 4 position 0.049\" (1.25mm)"
X1: library part PC104_2.54mm_20P, "20 Position Elevated Socket Connector  Through Hole"
XT1: library part FC-135-32.7680K, "32.768kHz ±20ppm Crystal 12.5pF 70 kOhms 2-SMD, No Lead"
XT2: library part ABM3B-8.000MHZ-10-1-U-T, "8MHz ±10ppm Crystal 10pF 200 Ohms 4-SMD, No Lead"

## Free pads (board coordinates)
  round 6 hole 3.2: 1(7.65,89.625) 2(81.35,89.625) 3(82,3.925) 4(7,3.925)

## Via types
v1: diameter 0.605, hole 0.3, Top Layer to Bottom Layer, tented both sides, 438 vias
v2: diameter 0.65, hole 0.3, Top Layer to Bottom Layer, tented both sides, 23 vias
v3: diameter 0.605, hole 0.3, Top Layer to Bottom Layer, 16 vias
v4: diameter 0.605, hole 0.3, Top Layer to Bottom Layer, tented bottom, 14 vias
v5: diameter 0.51, hole 0.2, Top Layer to Bottom Layer, tented bottom, 10 vias
v6: diameter 0.51, hole 0.2, Top Layer to Bottom Layer, tented both sides, 8 vias
v7: diameter 0.8, hole 0.4, Top Layer to Bottom Layer, tented both sides, 1 vias